# KiCad board k410t-devboard.kicad_pcb (continued)
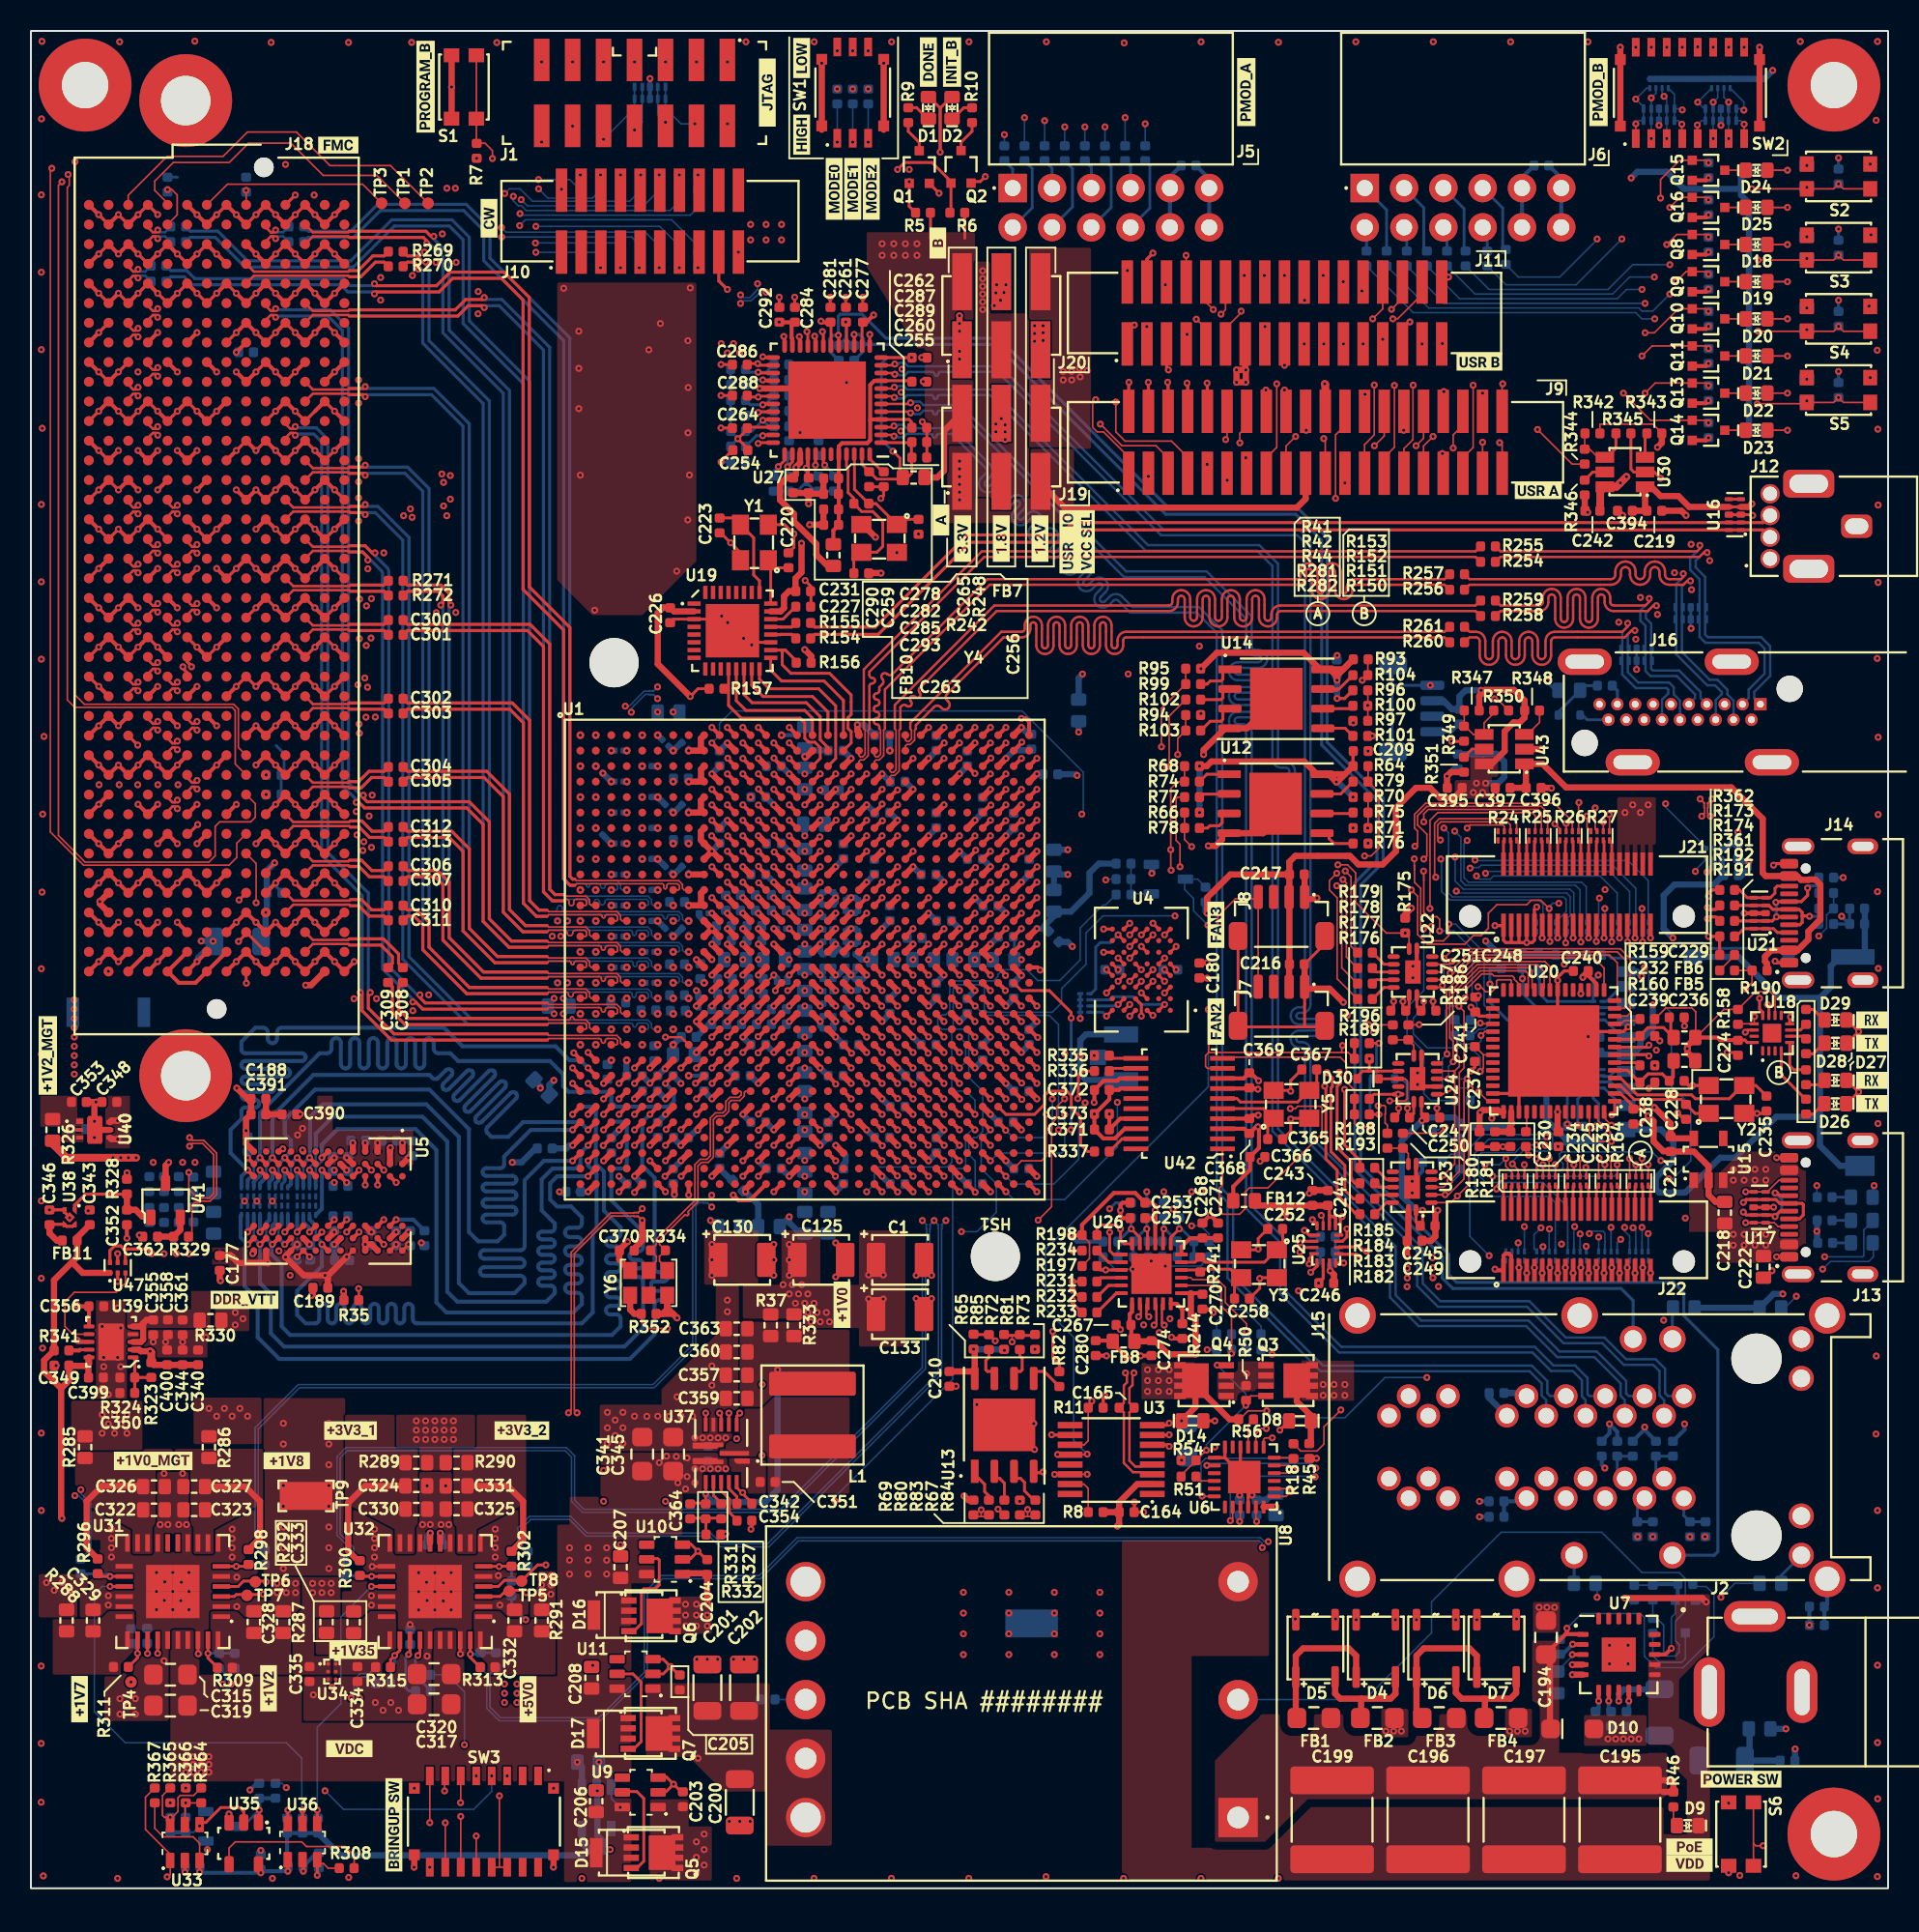
[diagram p0: board, top side]
## Nets (continued)
/User GPIO + LED + button + DIP switch/PMOD_A_1: J5.2 R120.2
/User GPIO + LED + button + DIP switch/PMOD_A_2: J5.4 R121.2
/User GPIO + LED + button + DIP switch/PMOD_A_3: J5.6 R122.2
/User GPIO + LED + button + DIP switch/PMOD_A_4: J5.8 R123.2
/User GPIO + LED + button + DIP switch/PMOD_A_7: J5.1 R112.1
/User GPIO + LED + button + DIP switch/PMOD_A_8: J5.3 R113.1
/User GPIO + LED + button + DIP switch/PMOD_A_9: J5.5 R114.1
/User GPIO + LED + button + DIP switch/PMOD_A_10: J5.7 R115.1
/User GPIO + LED + button + DIP switch/PMOD_B_1: J6.2 R124.2
/User GPIO + LED + button + DIP switch/PMOD_B_2: J6.4 R125.2
/User GPIO + LED + button + DIP switch/PMOD_B_3: J6.6 R126.2
/User GPIO + LED + button + DIP switch/PMOD_B_4: J6.8 R127.2
/User GPIO + LED + button + DIP switch/PMOD_B_7: J6.1 R116.1
/User GPIO + LED + button + DIP switch/PMOD_B_8: J6.3 R117.1
/User GPIO + LED + button + DIP switch/PMOD_B_9: J6.5 R118.1
/User GPIO + LED + button + DIP switch/PMOD_B_10: J6.7 R119.1
/USER_IO.A1: J9.1 U1.M19
/USER_IO.A3: J9.3 U1.L30
/USER_IO.A5: J9.5 U1.P21
/USER_IO.A7: J9.7 U1.K30
/USER_IO.A9: J9.9 U1.J29
/USER_IO.A11: J9.11 U1.M28
/USER_IO.A12: J9.12 U1.J27
/USER_IO.A13: J9.13 U1.H29
/USER_IO.A14: J9.14 U1.J28
/USER_IO.A15: J9.15 U1.N19
/USER_IO.A16: J9.16 U1.M20
/USER_IO.A17: J9.17 U1.J26
/USER_IO.A18: J9.18 U1.L20
/USER_IO.A21: J9.21 U1.M27
/USER_IO.A23: J9.23 U1.M29
/USER_IO.A24: J9.24 U1.N30
/USER_IO.A25: J9.25 U1.L21
/USER_IO.A26: J9.26 U1.J22
/USER_IO.A27: J9.27 U1.P22
/USER_IO.A28: J9.28 U1.M30
/USER_IO.A29: J9.29 U1.M23
/USER_IO.A30: J9.30 U1.N27
/USER_IO.A31: J9.31 U1.L26
/USER_IO.A32: J9.32 U1.K28
/USER_IO.A33: J9.33 U1.L28
/USER_IO.A35: J9.35 U1.L25
/USER_IO.A36: J9.36 U1.N29
/USER_IO.A37: J9.37 U1.L27
/USER_IO.A38: J9.38 U1.N26
/USER_IO.A39: J9.39 U1.K26
/USER_IO.A40: J9.40 U1.K21
/USER_IO.B1: J11.1 U1.D27
/USER_IO.B3: J11.3 U1.A30
/USER_IO.B5: J11.5 U1.H25
/USER_IO.B6: J11.6 U1.C26
/USER_IO.B7: J11.7 U1.E29
/USER_IO.B8: J11.8 U1.A23
/USER_IO.B9: J11.9 U1.A28
/USER_IO.B10: J11.10 U1.A27
/USER_IO.B11: J11.11 U1.A26
/USER_IO.B12: J11.12 U1.B27
/USER_IO.B14: J11.14 U1.C25
/USER_IO.B15: J11.15 U1.B28
/USER_IO.B16: J11.16 U1.B24
/USER_IO.B17: J11.17 U1.G29
/USER_IO.B18: J11.18 U1.C24
/USER_IO.B19: J11.19 U1.F30
/USER_IO.B21: J11.21 U1.F28
/USER_IO.B23: J11.23 U1.G28
/USER_IO.B24: J11.24 U1.A25
/USER_IO.B25: J11.25 U1.G30
/USER_IO.B26: J11.26 U1.B25
/USER_IO.B27: J11.27 U1.H30
/USER_IO.B28: J11.28 U1.E30
/USER_IO.B29: J11.29 U1.H24
/USER_IO.B30: J11.30 U1.C27
/USER_IO.B31: J11.31 U1.F27
/USER_IO.B32: J11.32 U1.D28
/USER_IO.B33: J11.33 U1.G27
/USER_IO.BUTTON0: D35.1 R140.2 S2.1 S2.2 U1.AA11
/USER_IO.BUTTON1: D34.1 R141.2 S3.1 S3.2 U1.AA10
/USER_IO.BUTTON2: D37.1 R148.2 S4.1 S4.2 U1.Y10
/USER_IO.BUTTON3: D36.1 R149.2 S5.1 S5.2 U1.Y11
/USER_IO.DIP_SW0: R132.4 SW2.1 U1.Y13 U45.1 U45.10
/USER_IO.DIP_SW1: R132.3 SW2.2 U1.AB8 U45.2 U45.9
/USER_IO.DIP_SW2: R132.2 SW2.3 U1.AA8 U45.4 U45.7
/USER_IO.DIP_SW3: R132.1 SW2.4 U1.AC9 U45.5 U45.6
/USER_IO.DIP_SW4: R133.4 SW2.5 U1.AA13 U46.1 U46.10
/USER_IO.DIP_SW5: R133.3 SW2.6 U1.AB13 U46.2 U46.9
/USER_IO.DIP_SW6: R133.2 SW2.7 U1.AB9 U46.4 U46.7
/USER_IO.DIP_SW7: R133.1 SW2.8 U1.AA12 U46.5 U46.6
/USER_IO.LED_BLUE: Q16.1 R360.1 U1.AB28
/USER_IO.LED_GREEN0: Q8.1 R353.1 U1.Y30
/USER_IO.LED_GREEN1: Q9.1 R354.1 U1.AH27
/USER_IO.LED_GREEN2: Q10.1 R355.1 U1.AA28
/USER_IO.LED_GREEN3: Q11.1 R356.1 U1.AA26
/USER_IO.LED_GREEN4: Q13.1 R357.1 U1.AA30
/USER_IO.LED_GREEN5: Q14.1 R358.1 U1.Y26
/USER_IO.LED_RED: Q15.1 R359.1 U1.Y28
FMC.SCL_3V3: J18.C30 R267.2
FMC.SDA_3V3: J18.C31 R268.1
FTDI_DIS: J1.14 R175.1 SW3.8 U22.8
VDC: C206.2 C207.2 C208.2 C314.1 C315.2 C317.2 C319.2 C320.2 C341.2 C345.2 C347.2 D15.1 D16.1 D17.1 D32.2 Q5.1 Q5.2 Q5.3 Q6.1 Q6.2 Q6.3 Q7.1 Q7.2 Q7.3 U9.6 U10.6 U11.6 U31.28 U31.29 U32.28 U32.29 U37.9 U44.1 U44.3
VREFN: C266.1 NT2.2 NT24.1
VREFP: C266.2 NT1.2 U1.T15
Net-(C198-Pad2): C198.2 R54.2
Net-(C364-Pad1): C364.1 R327.2 R331.1 R332.2
Net-(C366-Pad2): C366.2 C368.2 C369.2 FB12.1 U42.3 U42.7
Net-(D1-C): D1.1 R9.1
Net-(D2-C): D2.1 R10.1
Net-(D4-Pad1): D4.1 D5.1 FB2.1
Net-(D4-Pad2): D4.2 D5.2 FB1.1
Net-(D6-Pad1): D6.1 D7.1 FB4.1
Net-(D6-Pad2): D6.2 D7.2 FB3.1
Net-(D9-A): D9.2 R46.1
Net-(D11-A): D11.2 R58.2
Net-(D12-A): D12.2 R59.2
Net-(D13-A): D13.2 R57.2
Net-(D18-A): D18.2 R107.2
Net-(D18-C): D18.1 Q8.3
Net-(D19-A): D19.2 R108.2
Net-(D19-C): D19.1 Q9.3
Net-(D20-A): D20.2 R109.2
Net-(D20-C): D20.1 Q10.3
Net-(D21-A): D21.2 R110.2
Net-(D21-C): D21.1 Q11.3
Net-(D22-A): D22.2 R128.2
Net-(D22-C): D22.1 Q13.3
Net-(D23-A): D23.2 R129.2
Net-(D23-C): D23.1 Q14.3
Net-(D24-A): D24.2 R130.2
Net-(D24-C): D24.1 Q15.3
Net-(D25-A): D25.2 R131.2
Net-(D25-C): D25.1 Q16.3
Net-(D26-A): D26.2 R150.1
Net-(D27-A): D27.2 R151.1
Net-(D28-A): D28.2 R152.1
Net-(D29-A): D29.2 R153.1
Net-(D38-Pad1): D38.1 R193.1 R196.1
Net-(F1-Pad1): F1.1 J2.1
Net-(J4-Pin_4): J4.4 R168.1
Net-(J15A-TRDCT1/2/3/4_1): C269.2 J15.9_1 R243.1
Net-(J18A-VREF_A_M2C): J18.H01 TP1.1
Net-(J18A-VREF_B_M2C): J18.K01 TP2.1
Net-(J18B-PG_C2M): J18.D01 R266.1
Net-(J18B-PG_M2C): J18.F01 TP3.1
Net-(J23-CLK): J23.5 R63.8
Net-(J23-CMD): J23.3 R61.6
Net-(J23-DAT0): J23.7 R63.6
Net-(J23-DAT1): J23.8 R63.5
Net-(J23-DAT2): J23.1 R61.8
Net-(J23-DAT3/CD): J23.2 R61.7
Net-(J23-SHIELD): C393.2 J23.11 R253.2
Net-(NT1-Pad1): NT1.1 R329.1
Net-(Q1-D): Q1.3 R9.2
Net-(Q2-D): Q2.3 R10.2
Net-(Q5-G): Q5.4 U9.5
Net-(Q6-G): Q6.4 U10.5
Net-(Q7-G): Q7.4 U11.5
Net-(Q17-G): Q17.1 R165.1
Net-(Q18-D): Q18.3 R60.1
Net-(R191-Pad1): R191.1 R192.2
Net-(U3-STBY): R8.1 U3.15
Net-(U6-VBUS_EN_SNK): R51.1 U6.16
Net-(U8-TRIM): R62.1 U8.6
Net-(U22-B1Y): R176.1 U22.13
Net-(U22-B2Y): R177.1 U22.12
Net-(U22-B3Y): R178.1 U22.11
Net-(U22-B4): R179.1 U22.10
Net-(U23-B1Y): R182.1 U23.13
Net-(U23-B2Y): R183.1 U23.12
Net-(U23-B3Y): R184.1 U23.11
Net-(U23-B4): R185.1 U23.10
Net-(U23-OE): R180.1 R181.2 U23.8
Net-(U24-OE): R186.1 R187.2 U24.8
Net-(U30-ISET): R346.2 U30.5
Net-(U41-OUT): C362.2 R329.2 U41.2
Net-(U43-EN): R347.2 R349.2 R350.1 U43.4
Net-(U43-FLG): R348.1 U43.3
Net-(U43-ISET): R351.1 U43.5

Pads without a net: D33 2; J4 3; J7 3; J8 3; J10 1 3 18 20; J13 A8 B8; J14 A8 B8; J15 5_1 6_1 7_1 8_1; J16 13 14 15 16 19; J18 B04 B05 B08 B09 B24 B25 B28 B29 B40 C10 C11 C14 C15 C18 C19 C22 C23 C26 C27 C34 D09 D11 D12 D14 D15 D17 D18 D20 D21 D23 D24 D26 D27 D32 D35 E02 E03 E06 E07 E09 E10 E12 E13 E15 E16 E18 E19 E21 E22 E24 E25 E27 E28 E30 E31 E33 E34 E36 E37 E39 F04 F05 F07 F08 F10 F11 F13 F14 F16 F17 F19 F20 F22 F23 F25 F26 F28 F29 F31 F32 F34 F35 F37 F38 F40 G02 G03 G06 G07 G09 G10 G12 G13 G15 G16 G34 G36 G37 G39 H04 H05 H07 H08 H10 H11 H13 H14 H34 H35 H37 H38 H40 J15 J16 J30 J31 J33 J34 J36 J37 J39 K13 K14 K29 K31 K32 K34 K35 K37 K38 K40 L01 L04 L05 L08 L09 L12 L13 L16 L17 L20 L21 L24 L25 L28 L29 L32 L33 M02 M03 M06 M07 M10 M11 M14 M15 M18 M19 M22 M23 M26 M27 M30 M31 M34 M35 M38 M39 Y02 Y03 Y06 Y07 Y10 Y11 Y14 Y15 Y18 Y19 Y22 Y23 Y26 Y27 Y30 Y31 Y34 Y35 Y38 Y39 Z01 Z04 Z05 Z08 Z09 Z12 Z13 Z16 Z17 Z20 Z21 Z24 Z25 Z28 Z29 Z32 Z33 Z36 Z37; R20 1 8; R22 3; R24 1 8; R25 8; R28 1 2 7 8; R61 4 5; R62 2; R63 2 7; SW3 1 2 15 16; U1 A3 A4 A7 A8 A20 A21 AA17 AB12 AB14 AB17 AB19 AC12 AC14 AC16 AC26 AC27 AD8 AD13 AD16 AD17 AD19 AD26 AE8 AE10 AE11 AE14 AE15 AE16 AE19 AE29 AE30 AF10 AF12 AF15 AF17 AF30 AG9 AG10 AG12 AG17 AG18 AG19 AG28 AG29 AG30 AH5 AH6 AH9 AH10 AH11 AH14 AH16 AH19 AH26 AH29 AH30 AJ1 AJ3 AJ4 AJ9 AJ11 AJ14 AJ16 AJ18 AJ19 AJ26 AJ27 AK1 AK3 AK9 AK10 AK11 AK15 AK16 AK18 AK19 AK24 AK29 B1 B2 B5 B6 B23 B30 C3 C4 C7 C8 C10 D1 D2 D5 D6 D22 D23 D24 D26 D29 E3 E4 E7 E8 E19 E23 E24 E25 E26 F1 F2 F5 F6 F22 F23 F25 F26 G3 G4 G7 G8 G22 G23 G24 G25 H1 H2 H5 H6 H17 H22 J3 J4 J7 J8 J17 J18 J21 J23 J24 K1 K2 K5 K6 K18 K19 K20 K23 K24 K25 K29 L10 L17 L18 L22 L23 M22 M24 M25 N20 N21 N22 N24 N25 P19 P23 R15 T14 U24 U30 V22 W19 Y15 Y16 Y18 Y25; U3 1 5 9 13 16; U4 A1 B1 B2 B6 C2 C5 E3 F2 F5 G1 G2 G6; U5 A3 A7 F1 F9 H1 H9; U6 3 11 15 17 19; U7 10 14 15 16 17 18 19 20; U9 4; U10 4; U11 4; U15 4; U16 5 6; U18 1 2 3 9 15 17; U19 1 4 5 6 7 8 9 10 11 26 27 28 29 30 31 32; U20 17 19 20 28 29 30 34 35 37 38 39 40 47 48 49 51 52 53; U22 6 9; U23 6 9; U24 6 9 12; U27 43; U31 11 12; U42 2 15 16 20; U44 4; Y6 2

## Via types
v1: diameter 0.45, hole 0.2, Top to Bottom, 2762 vias

## Routing (per net, layer and track width the routed paths; a pad name or vN(x,y) marks a point on that pad's centre or on a via; arc(x,y) is an arc through that point)
+0V675_VREF: length 56.1
  Top w0.256: v1(3,37.65) 3.05,37.6 3.74,37.6 3.75,37.59 3.75,36.3
  Top w0.4: v1(41,51) U1.AD7 ; 17.6,42 v1(18,41.6) ; v1(41.99,47.99) U1.AG8 ; 20.8,47.6 v1(20.8,48.17)
  In2.Cu w0.4: v1(16.75,39.6) 17.05,39.9 18.3,39.9 18.45,39.75 18.45,39.35 18.75,39.05 19.5,39.05 19.85,39.4 19.85,39.75 20,39.9 24.9,39.9 25.25,40.25 25.25,41 25.4,41.15 25.55,41.15 26.05,41.65 26.05,42.25
  In3.Cu w0.4: 12.3,39.8 5.15,39.8 v1(3,37.65) ; 12.3,39.8 12.3,48.2 13.9,49.8 16.18,49.8 17.22,50.85 18.12,50.85 v1(20.8,48.17) ; 12.3,39.8 16.7,39.8 ; 16.7,39.8 18.25,39.8 18.7,40.25 18.7,40.95 18.05,41.6 v1(18,41.6) ; 16.7,39.8 16.7,39.65 v1(16.75,39.6)
  Bottom w0.4: v1(41.99,47.99) 41.99,48.01 41.5,48.5 ; v1(41,51) 40.5,51.5
+0V675_VTT: length 15.3
  In2.Cu w0.5: 19.5,44.4 v1(13.8,44.4) ; 19.5,44.4 25.05,44.4 25.22,44.23 v1(25.22,41.7) ; 19.5,44.4 19.6,44.5 v1(19.6,45.6)
  vias: v1(13.2,37.2) v1(13.2,36.4) v1(13.7,37.6) v1(13.7,36.8) v1(14.6,44.4) v1(15.6,44.4)
+1V0: length 26
  Top w0.4: U1.V17 v1(52,57) ; U1.N16 v1(51,63) ; U1.M15 v1(49,64) ; U1.U18 v1(53,58) ; U1.U16 v1(51,58) ; U1.T17 v1(52,59) ; U1.M13 v1(47,64) ; U1.N18 v1(53,63) ; U1.P17 v1(52,62) ; U1.R12 v1(46,61) ; U1.N10 v1(44,63) ; U1.R18 v1(53,61) ; U1.R16 v1(51,61) ; U1.R10 v1(44,61) ; U1.T11 v1(45,59) ; U1.N12 v1(46,63) ; U1.M11 v1(45,64) ; U1.U10 v1(44,58) ; U1.W18 v1(53,56) ; U1.P11 v1(45,62) ; U1.U12 v1(46,58) ; U1.M17 v1(52,64) ; U1.N14 v1(48,63) ; U1.W16 v1(51,56)
  Bottom w0.4: v1(54,60) 53.67,60 53.32,60.35 ; 51.18,56.35 51,56.17 v1(51,56) 51,55.73 51.18,55.55 ; v1(52,59) 51.82,58.82 51.82,58.75 ; v1(52,59) 52.13,59 52.68,59.55 ; v1(52,59) 51.82,59.18 51.82,59.55 ; 53.45,63.18 53.27,63 v1(53,63) 52.83,63 52.65,63.18 ; 51.18,61.15 51.15,61.15 v1(51,61) 51,60.53 51.18,60.35 ; 51.18,62.75 51.18,62.82 v1(51,63) ; 53.45,58.08 53.37,58 v1(53,58) 52.73,58 52.65,58.08 ; 53.45,61.18 53.27,61 v1(53,61) 52.83,61 52.65,61.18 ; 51.82,61.95 51.95,61.95 v1(52,62) ; 51.82,57.15 51.85,57.15 v1(52,57) ; 51.82,63.55 52,63.73 v1(52,64) 52,64.17 51.82,64.35
  vias: v1(44,41.6) v1(44,40.6) v1(44,39.6) v1(48.6,39) v1(49,60) v1(49,41.6) v1(49,40.6) v1(49,39.6) v1(49,38.4) v1(49.2,39) v1(49.4,37.8) v1(49.6,38.4) v1(49.8,39) v1(50,66) v1(50,63) v1(50,61) v1(50,58) v1(50,57) v1(50,54) v1(50,49) v1(50,37.8) v1(50.2,38.4) v1(50.2,37.2) v1(50.4,36.6) v1(50.6,37.8) v1(50.8,37.2) v1(51,36.6) v1(51.4,37.2) v1(51.6,36.6) v1(54.12,39.62) v1(54.12,38.07) v1(55.07,39.62) v1(55.07,38.07) v1(57,60)
+1V0_MGTAVCC: length 4.5
  Bottom w0.1: v1(40.49,77.62) 40.23,77.36 NT33.2
  Bottom w0.4: v1(41.5,67.5) 41.5,67.62 ; 42.07,62.03 41.62,61.57 41.43,61.57 ; 42.07,70.03 41.55,69.5 v1(41.5,69.5) ; 41.23,73.77 v1(41.5,73.5) 42.03,74.03 42.07,74.03 ; v1(41.5,71.5) 41.5,71.52 ; 41.55,65.5 42.07,66.03
  Bottom w0.5: v1(41.5,76) C112.1
  vias: v1(4.6,30.6) v1(4.6,29.4) v1(5,30) v1(5.4,30.6) v1(5.4,29.4) v1(5.8,30) v1(6.2,30.6) v1(6.2,29.4) v1(41.5,65.5) v1(41.5,63.5) v1(41.5,61.5)
+1V2: length 21.2
  Top w0.182: 46.39,96.45 46.49,96.35 v1(46.99,96.35) 47.04,96.4 48.02,96.4 ; 53.75,101.17 53.7,101.12 53.7,99.58 ; 46.39,98.45 46.45,98.51 v1(46.96,98.51) 47.07,98.4 48.02,98.4 ; 51.7,99.58 51.7,101.12 51.65,101.17
  Top w0.256: v1(51.05,101.25) 51.12,101.17 51.65,101.17 ; 53.75,101.17 53.97,101.17 v1(54.45,101.65) ; v1(48.35,101.19) 48.37,101.17 49.35,101.17 49.15,100.97 49.15,100.15 49.2,100.1 49.2,99.58
  Top w0.4: 51.85,85.24 51.67,85.24 50.75,86.16 50.75,86.85 49.3,88.3 49.3,88.8 48.4,89.7 48.4,90.7 48.85,91.15 49.24,91.15 49.44,91.35 v1(49.44,91.8) 49.44,91.84 49.7,92.1 49.7,92.72
  Bottom w0.1: NT38.2 47.12,103.12 v1(47.5,103.12)
  vias: v1(15.9,19.7) v1(15.9,19.1) v1(16.5,19.7) v1(16.5,19.1) v1(17.1,19.7) v1(17.1,19.1) v1(66.7,98) v1(66.7,97.45) v1(67.25,98) v1(67.25,97.45) v1(67.75,98.2) v1(67.8,97.65) v1(68.25,98.05)
+1V2_MGTAVTT: length 9.1
  Top w0.5: v1(6.8,47.2) v1(6.3,47.2) v1(5.8,47.2) v1(5.3,47.2) 2.3,47.2 1.4,48.1 R326.2
  Bottom w0.4: v1(37.5,71.5) v1(36.96,72.04) ; 41.31,56.7 41.5,56.51 v1(41.5,56.5) ; v1(34.4,57.5) 34.8,57.1 C120.2 34.8,56.9 v1(34.4,56.5) ; v1(37.5,67.5) 36.95,68.05
  vias: v1(34.67,62.5) v1(34.67,58.5) v1(37.5,73.5) v1(37.5,69.5) v1(37.5,65.5) v1(37.5,63.5) v1(37.5,61.5) v1(37.5,59.5) v1(37.5,57.5) v1(39.5,72.5) v1(39.5,70.5) v1(39.5,68.5) v1(39.5,66.5) v1(39.5,64.5) v1(39.5,62.5) v1(39.5,60.5) v1(39.5,58.5) v1(39.5,56.5)
+1V8: length 82.8
  Top w0.1: 67.91,42.2 68.4,41.72 68.4,40.69 67.91,40.2
  Top w0.2: U25.7 83.9,39.95 v1(83.95,39.9)
  Top w0.256: 72.45,43.3 72.65,43.3 ; 72.45,43.3 72,43.3 ; 72.45,43.3 72.5,43.3 ; 72.65,43.3 72.65,43.45 ; 72.65,43.3 72.65,43 ; 72.5,43.3 72.65,43.45 ; 72.5,43.3 72.65,43.15 72.65,43 ; 72.65,43.45 v1(72.65,43.8) 72.65,44.1 72.45,44.3 71.97,44.3 71.35,44.93 69.97,44.93 67.91,42.87 67.91,42.2 v1(67.15,42.2) ; 72.65,41.64 72.65,43
  Top w0.4: U1.AA19 v1(54,54) ; U1.W10 v1(44,56) ; U1.AG11 v1(45,48) ; U1.AE17 v1(52,50) ; U1.W12 v1(46,56) ; U1.T13 v1(47,59) ; U1.AB16 v1(51,53) ; U1.AA9 v1(43,54) ; v1(46.17,45) 46.17,45.17 U1.AK12 ; U1.V13 v1(47,57) ; 84.2,39.1 84.2,39.65 v1(83.95,39.9) ; U1.V11 v1(45,57) ; U1.AH18 v1(52,48) ; U1.Y12 v1(46,55) ; U1.AC13 v1(47,52) ; U1.AJ15 v1(49,46) ; v1(60.91,34.84) 60.99,34.76 60.99,33.39 59.35,33.39 59.35,33.4 ; U1.AF14 v1(48,49) ; v1(38.55,41.78) 38.01,41.24 38.01,40.62 Y6.6 ; U1.V15 v1(49,57) ; U1.P13 v1(47,62) ; 60.9,25.09 60.56,25.09 v1(60.3,25.35) ; U1.W14 v1(48,56) ; U1.AD10 v1(44,51)
  Bottom w0.1: 72.6,41.8 73.1,41.8 ; 72.6,41.8 72.6,43.75 v1(72.65,43.8) ; 72.6,41.8 72.2,41.8 ; 79.49,35.8 79.49,36.31 78.4,37.4 77,37.4 ; v1(75,42.8) 75.6,42.8 76.11,42.29 76.11,41.8 76.2,41.8 76.8,41.2 76.8,40.2 76.4,39.8 76.4,38.6 77,38 77,37.4 ; 77,37.4 77,37 76.62,36.62 76.62,35.8 ; v1(43.99,44.02) 43.73,44.28 NT36.2
  Bottom w0.182: 84.28,42.1 84.28,41.1
  Bottom w0.201: 116.8,106.48 v1(116.8,107.2) ; 116.8,101.89 v1(116.8,102.6) ; 116.8,97.28 v1(116.8,98) ; 116.8,111.08 v1(116.8,111.8)
  Bottom w0.256: v1(67.15,42.2) 67.57,41.78 69.27,41.78
  Bottom w0.4: 47.5,49.5 v1(48,49) ; v1(46.17,45) 46.99,44.18 C107.1 C54.2 ; v1(52,48) 52.64,47.36 52.64,46.92 52.5,46.78 52.5,46.5 ; v1(112.55,117.45) 112,116.9 R133.8 104.6,116.9 ; 43.12,57.57 43.12,57.88 v1(43,58) ; 43.97,55.82 43.82,55.82 43,55 ; 51.5,49.5 v1(52,50) ; 43.5,51.5 v1(44,51) ; v1(46,55) 46.5,54.5 ; 51.5,52.5 v1(51,53) ; 48.5,46.5 v1(49,46) ; 46.5,52.5 v1(47,52) ; C46.2 v1(50,51) ; v1(60.91,34.84) 60.93,34.81 62.88,34.81 ; U1.AA19 v1(54,54) ; v1(83.95,39.9) 83.95,40.31 84.28,40.65 84.28,41.1 ; C49.2 v1(50,46) ; 44.5,47.5 v1(45,48)
  vias: v1(11.5,31) v1(12,30.5) v1(12.5,31) v1(13,30.5) v1(13.5,31) v1(14,30.5) v1(41.5,59.5) v1(41.5,57.5) v1(46,60) v1(61.5,104.5) v1(61.5,104) v1(61.5,103.5) v1(61.5,103) v1(61.5,102.5) v1(61.5,102) v1(62.9,34.75) v1(63.9,25)
+1V35: length 39.9
  Top w0.114: 39.23,43.65 39.24,43.65 v1(39.5,43.91)
  Top w0.177: U5.K9 16.8,41.2 v1(17.2,41.6) ; U5.A9 v1(24.4,41.6) ; U5.E9 v1(20.4,40.8) ; U5.B9 v1(23.6,41.6)
  Top w0.201: 6,41.3 5.8,41.5 5.4,41.5 5.1,41.2 5.1,40.44 ; 6,41.3 7.5,41.3 v1(7.8,41) ; 6,41.3 6.1,41.2 6.1,40.44
  Top w0.4: 15.19,51 15.19,50.01 15.2,50 16.2,50 ; v1(19,39.6) 17.62,39.6 v1(16.45,40.78) 16.45,40.85 U5.K9 ; v1(19,39.6) 19.19,39.41 19.19,38.8 ; v1(19,39.6) 19.2,39.6 v1(20.4,40.8) ; U1.AJ5 v1(39.01,46.01) ; U1.AE7 v1(41,50) ; 7.78,33.97 7.93,33.81 10.8,33.81 ; 22.4,47.6 v1(22.4,48.17) ; U1.AF4 v1(38,49) ; U1.AH8 v1(42,47) ; U39.2 7,34.8 7.1,34.7 v1(7.7,34.7) ; U1.AG1 v1(35,48) ; U5.M9 15.2,40.5 v1(15.3,40.4) 13.4,40.4 v1(13,40.8) 12.9,40.9 12.2,40.9 ; U5.E2 v1(20.4,47.2) ; U1.AC3 v1(37,52) ; U1.AK2 v1(36,45) ; U5.A2 v1(24.4,47.2) ; 19.2,42 v1(19.6,42.4) ; U5.G2 v1(19.6,47.2) ; U5.D7 v1(22,42.4)
  Top w0.5: v1(7.7,34.7) 7.78,34.62 7.78,33.97
  Bottom w0.1: 24.4,47.26 v1(24.4,47.2)
  Bottom w0.4: R340.2 v1(42,52) ; v1(41,50) 40.5,49.5 ; 39.5,45.5 39.01,45.99 v1(39.01,46.01) ; 37.5,48.5 v1(38,49) ; C109.1 33.49,51.9 v1(33.79,52.2) ; 35.37,45 v1(36,45) ; 41.5,46.5 v1(42,47) ; v1(35,48) 34.8,48 34.6,47.8 33.7,47.8
  vias: v1(8.6,41) v1(9.4,41) v1(10.2,41) v1(17.23,48.67) v1(17.55,49.1) v1(18.2,19.7) v1(18.2,19.1) v1(18.8,19.7) v1(18.8,19.1) v1(19.4,19.7) v1(19.4,19.1)
+1V85_ADC: length 64.5
  Top w0.256: v1(6.2,42) 6.2,42.87 ; U1.P15 v1(49,62)
  In7.Cu w0.256: v1(49,62) 48.5,61.5 43.47,61.5 42.99,61.02 42.38,61.02 42.01,60.65 42.01,60.2 41.8,59.99 22.59,59.99 20.2,57.6 13,57.6 12.4,58.2 7.3,58.2 3.5,54.4 3.5,44.7 v1(6.2,42)
+3V3: length 292.8
  Top w0.177: 89.05,57.7 89.05,56.9 88.85,56.7 ; 89.1,49.8 89.35,50.05 89.35,50.8
  Top w0.182: v1(13.45,63.85) 13.91,64.31 13.91,64.31 ; v1(50,73.12) 50.02,73.1 50.02,73.02 ; v1(50.09,91.75) 50.2,91.86 50.2,92.72 ; 52.65,101.17 52.7,101.12 52.7,99.58 ; 48.02,94.4 46.34,94.4 46.29,94.35 46.29,94.27 v1(45.68,93.65) 46.31,93.02 46.31,92.92 ; 88.85,56.7 88.65,56.9 v1(88.65,57.3) ; 13.91,59.23 13.91,58.49 v1(13.92,58.48) ; 57.99,115.78 58.75,115.02 v1(58.75,112.17) 58.75,115.01 59.52,115.78 ; v1(13.41,61.17) 13.91,61.67 13.91,61.77 15.18,60.5 ; 89.1,49.8 88.94,49.96 v1(88.94,50.4) ; 58.12,108.25 58.12,106.59 ; 60.34,108.26 60.34,106.61 ; 43.81,77.5 43.1,77.5 v1(42.6,77)
  Top w0.184: 73.62,59.72 v1(74,59.35) ; U4.D6 v1(69.5,59.35)
  Top w0.201: 83.8,44.1 83.9,44 83.9,43.5 ; 85.44,73.47 85.43,73.47 85.43,72.5 ; 83.9,43.5 84,43.4 84.2,43.4 84.3,43.3 84.3,42.8 ; 83.9,43.5 U25.14 ; 69.28,31.05 69.28,31.69 v1(69.4,31.8)
  Top w0.256: v1(70.8,34.3) 69.72,35.38 68.8,35.38 ; U42.18 70.68,49.07 70.05,48.45 69.29,48.45 68.72,49.03 v1(68.72,50.03) 68.72,50.03 69.69,50.99 69.69,51.57 70.3,51.57 70.4,51.68 71.4,51.68 ; 50.24,91.15 50.2,91.19 50.2,92.72 ; 75.5,59.78 75.99,59.78 v1(76,59.8)
  Top w0.4: 83.88,71.98 83.88,71.95 v1(84.35,71.47) 84.41,71.47 84.91,71.98 ; 83.88,71.98 84.91,71.98 ; 83.88,71.98 83.09,71.98 82.28,72.8 76.28,72.8 75.97,72.5 v1(75.51,72.5) ; 88.8,62.69 88.8,62.92 v1(89.2,63.33) ; 89,43.8 89,41.93 88.91,41.84 88.91,40.82 v1(88.94,40.8) ; 84.91,71.98 85.43,72.5 ; v1(53.4,75.18) 53.4,74.78 53.5,74.68 U1.A19 ; v1(62,61) U1.R27 v1(62,60) ; U1.AB26 v1(61,53) ; v1(49.79,86.9) 49.79,85.02 49.4,84.63 49.4,83.8 48.98,83.8 48.66,83.48 48.66,82.72 48.44,82.5 47.8,82.5 ; v1(2,23.9) 1.95,23.95 1.95,32.3 ; U1.AE27 v1(62,50) ; U1.K12 v1(46,66) ; 2.59,33.75 3.6,33.75 3.75,33.9 U39.10 3.72,34.26 3.72,33 ; 69.28,24.3 70.31,24.3 ; 70.31,24.3 70.31,24.94 71.48,26.11 72.45,26.11 ; 70.31,24.3 70.31,23.51 v1(70.2,23.4) ; v1(42.6,77) 40.5,79.1 40.5,82.4 40.85,82.75 41.3,82.75 41.55,82.5 42.85,82.5 ; U1.G11 v1(45,69) ; 3.8,42.87 2.99,42.05 2.99,40.78 2.65,40.45 ; 5.1,39.76 3.34,39.76 2.65,40.45 ; U1.AD20 v1(55,51) ; 1.95,32.3 2.46,32.81 2.46,33.78 ; 1.95,32.3 0.85,33.4 0.85,34.11 1.49,34.75 1.49,39.29 2.65,40.45 ; U1.AJ25 v1(60,46) ; U1.H18 v1(53,68) ; U1.L19 v1(54,65) ; U1.F14 v1(48,70) ; U1.G21 v1(56,69) ; 50.41,79.18 50.41,79.61 v1(50,80.03) ; v1(80.89,43.35) 81.09,43.56 81.09,44.12 ; U1.AH28 v1(63,47) ; U1.V28 v1(63,57) ; 81.09,44.12 79.13,44.12 79.09,44.16 ; 81.09,44.12 82.8,44.12 ; U1.AC23 v1(58,52) ; U1.AD30 v1(65,51) ; U1.W25 v1(60,56) ; U1.P30 v1(65,62) ; v1(17.75,58.35) 18.1,58.35 18.99,59.23 ; U1.D20 v1(55,72) ; U1.Y22 v1(57,55) ; 57.93,91.15 58.56,91.15 59,91.59 59,94.16 60.16,95.32 ; U1.J15 v1(49,67) ; U1.AG21 v1(56,48) ; U1.T9 v1(43,60) ; U1.C13 v1(47,73) ; U1.AK22 v1(57,45) ; U1.D10 v1(44,72) ; U1.B16 50.02,73.02 ; U1.T24 v1(59,59) ; U1.U21 v1(56,58) ; U1.E17 v1(52,71) ; U1.AB6 v1(40,53) ; U1.AA29 v1(64,54) ; 83.8,44.1 82.73,44.1 ; U1.AF24 v1(59,49)
  Top w0.5: J11.22 83.54,104.16 v1(83.5,104.2) ; 83.63,95.49 83.63,97.17 v1(83.6,97.2)
  In2.Cu w0.4: v1(88.94,40.8) 88.93,40.8 88.09,39.95 88.09,38.65
  In3.Cu w0.4: v1(55,105.5) 55,103.1 54.1,102.2 53.7,102.2 52.7,101.2 v1(52.65,101.2) ; v1(80.89,43.35) 80.89,41.02 81.9,40.01 v1(81.9,38.6)
  In7.Cu w0.4: v1(17.75,58.35) 17.62,58.48 v1(13.92,58.48)
  Bottom w0.1: v1(109.2,18.8) 110.1,19.7 111.7,19.7 ; v1(101.2,18.8) 101.2,19.6 R262.2
  Bottom w0.114: 58.1,42.87 58.1,42.88 v1(58.36,43.14) 58.62,42.88 58.62,42.87
  Bottom w0.177: 49.95,90.7 50.09,90.84 ; 49.95,90.7 49.51,90.27 47.99,90.27 ; 49.95,90.7 50.15,90.7 ; 50.09,90.84 50.19,90.74 ; 50.09,90.84 v1(50.09,91.75) ; 50.32,90.62 50.23,90.7 50.15,90.7 ; 50.32,90.62 50.19,90.74 ; 50.32,90.62 50.67,90.27 51.89,90.27 ; 50.19,90.74 50.15,90.7
  Bottom w0.182: v1(52.65,101.2) 52.65,100.14 ; 52.65,100.14 52.56,100.04 ; 52.65,100.14 52.74,100.04 ; 45.21,93.15 45.21,93.18 v1(45.68,93.65) 45.68,93.68 45.21,94.15 45.21,98.15 ; 52.56,100.04 52.2,99.69 ; 52.56,100.04 52.74,100.04 ; 15.85,73.82 16.36,73.31 16.36,72.12 16.17,71.93 ; R36.8 v1(67.8,56.2) ; 52.74,100.04 53.1,99.69 53.2,99.69 ; 9.45,110.55 9.45,110.55 8.83,110.55 ; 16.17,71.93 16.17,70.66 ; 16.17,71.93 16.17,71.96
  Bottom w0.256: 98.89,107.31 98.89,110.5 98.09,111.3 ; 88.32,52.3 88.65,52.3 88.94,52.01 v1(88.94,50.4) ; 76.14,107.31 76.14,110.45 75.28,111.3
  Bottom w0.4: v1(113.2,38.4) 112.6,38.4 111.7,37.5 R263.2 ; v1(40,53) 40.28,53.28 40.28,53.45 ; 57.5,54.5 v1(57,55) ; v1(85.43,70.5) 84.46,71.47 v1(84.35,71.47) ; 58.5,48.5 v1(59,49) ; v1(94,61.2) 94.9,60.3 98.51,60.3 ; 55.5,71.5 v1(55,72) ; 47.5,70.5 v1(48,70) ; v1(104.8,57.07) 104.8,55.57 104,54.78 104,54.38 103.5,53.88 J23.4 101.49,53.88 101.35,54.01 99.76,54.01 97.93,52.18 97.93,49.65 99.3,48.28 99.3,48.26 101.3,48.26 ; U1.AK22 v1(57,45) ; 115.42,41.7 115.42,42.44 v1(115.4,42.45) 115.42,42.47 115.42,43.15 ; 51.5,73.5 51.48,73.52 50.13,73.52 C2.2 v1(50,73.12) ; 62.5,49.5 v1(62,50) ; v1(103.4,110.5) 103.8,110.9 105.7,110.9 106.8,109.8 110.5,109.8 ; C5.2 v1(60,60) ; U1.AD30 v1(65,51) ; 55.5,57.5 v1(56,58) ; 44.5,72.5 v1(44,72) ; v1(75.51,72.5) v1(75.51,69.5) ; 60.5,56.5 v1(60,56) ; C105.1 50,68.65 v1(50,68) ; 55.5,69.5 v1(56,69) ; 61.5,53.5 v1(61,53) ; 111.01,94.2 111.01,108.89 110.5,109.4 110.5,110.5 111,111 111.01,111 ; 64.5,54.5 v1(64,54) ; U1.H18 v1(53,68) ; 60.5,45.5 v1(60,46) ; U1.C13 v1(47,73) ; 54.5,74.5 53.82,75.18 v1(53.4,75.18) ; v1(65,62) 65.5,62 65.5,62.2 66.1,62.8 C3.2 67.2,63.1 68.4,64.3 68.4,65.6 69,66.2 70.12,66.2 ; 58.5,58.5 v1(59,59) ; 55.5,50.5 v1(55,51) ; v1(110.3,68.25) 110.3,67.5 109.85,67.5 109.54,67.19 109.25,67.19 ; 63.5,46.5 v1(63,47) ; U1.AG21 v1(56,48) ; 63.5,57.5 v1(63,57) ; 54.5,65.5 v1(54,65) ; 62.5,61.5 v1(62,61) ; 48.5,67.5 v1(49,67) ; v1(46,66) U1.K12 ; 44.5,68.5 v1(45,69) ; U1.AC23 v1(58,52)
  vias: v1(4.4,71.3) v1(5.7,71.3) v1(6.9,71.3) v1(8.2,71.3) v1(9.5,71.3) v1(24.9,30.2) v1(24.9,29.6) v1(24.9,29) v1(25.5,30.2) v1(25.5,29.6) v1(25.5,29) v1(26.1,30.2) v1(26.1,29.6) v1(26.1,29) v1(26.7,30.2) v1(26.7,29.6) v1(26.7,29) v1(27.3,30.2) v1(27.3,29.6) v1(27.3,29) v1(28.8,111.77) v1(30.6,13.2) v1(30.6,12.6) v1(30.6,12) v1(31.4,13.2) v1(31.4,12.6) v1(31.4,12) v1(38.1,110.7) v1(44.6,99.8) v1(45,114) v1(45,99.2) v1(45.4,99.8) v1(45.8,99.2) v1(46.5,107.5) v1(46.5,106.5) v1(47.5,107.5) v1(47.5,106.5) v1(48.5,107.5) v1(48.5,106.5) v1(50,71) v1(52.1,116.25) v1(53.1,116.25) v1(54.1,116.25) v1(55,106.25) v1(55.75,106.25) v1(55.75,105.5) v1(56.5,106.25) v1(56.5,105.5) v1(57.25,106.25) v1(57.25,105.5)
+3V3_AON: length 39
  Top w0.1: 8,5.51 8,3.88 8.55,3.32 10.47,3.32 10.9,2.9 10.9,1.55
  Top w0.182: v1(10.9,1.05) 10.9,1.8 U33.3 ; 14.85,1.5 v1(14.85,1)
  Top w0.198: v1(16.6,1.1) 16.6,1.85 U36.1
  Bottom w0.182: v1(16.6,1.1) 16.62,1.12 16.62,1.4 ; 10.94,1.4 10.94,1.09 v1(10.9,1.05)
  Bottom w0.256: 14.85,1.22 14.97,1.1 v1(16.6,1.1) 16.55,1.15 16.55,3.56 18.55,3.56 ; v1(10.9,1.05) 10.95,1 v1(14.85,1)
  Bottom w0.4: 18.55,3.56 19.99,2.13 35.65,2.13 36.01,2.5 35.6,2.91 U44.5
+5V: length 62.1
  Top w0.1: 105.38,94 105.38,94.02 104.8,94.6 101.38,94.6 101.38,94
  Top w0.114: 108.12,70.09 108.12,70.12 v1(107.86,70.38)
  Top w0.4: v1(105.1,93.1) 105.38,93.39 105.38,94 ; 81.31,65.5 81.31,59.7 81.3,59.69 81.3,58.12 ; 81.31,65.5 81.31,66.31 81.7,66.7 85.22,66.7 85.78,66.15 87.35,66.15 88.2,67 88.2,69.8 89.5,71.1 90.4,71.1 91.05,70.45 91.95,70.45 92.5,71 92.5,71.1 ; 81.31,65.5 77.5,65.5 76,64 v1(76,63) ; 93.59,76.1 93.59,77.03 93.97,77.42 95.82,77.42 96.51,76.73 96.51,75.64 96.2,75.33 95.8,75.33 95.22,74.75 95.22,73.47 94.4,72.65 93.9,72.65
  Top w0.5: 101.4,89 101.4,90.25 101.7,90.55 102.45,90.55 v1(102.7,90.8) v1(103.1,91.2)
  Bottom w0.182: v1(98,78) 98,77.91 98.51,77.4
  Bottom w0.4: 75.9,63.72 75.9,63.1 v1(76,63) ; v1(93.7,77.4) 92.7,77.4 92.3,77 92.3,76.19 91.81,76.19 91.28,76.72 90.43,76.72 ; 92.3,73.28 93.85,73.28 93.88,73.3 94.7,73.3 95.2,72.8 95.2,71.8 94.8,71.4 v1(94,71.4)
  vias: v1(33,20.2) v1(33,19.6) v1(33,19) v1(33.6,20.2) v1(33.6,19.6) v1(33.6,19) v1(93.2,70.8) v1(93.4,71.4) v1(93.8,70.8) v1(103,69.5) v1(103.5,70) v1(104,69.5) v1(104.5,70)
/DC-DC Converters/1V0_FB: length 1.6
  Top w0.177: U37.11 44.1,25.38 44.6,24.88
